# KiCad board panel.kicad_pcb (continued)
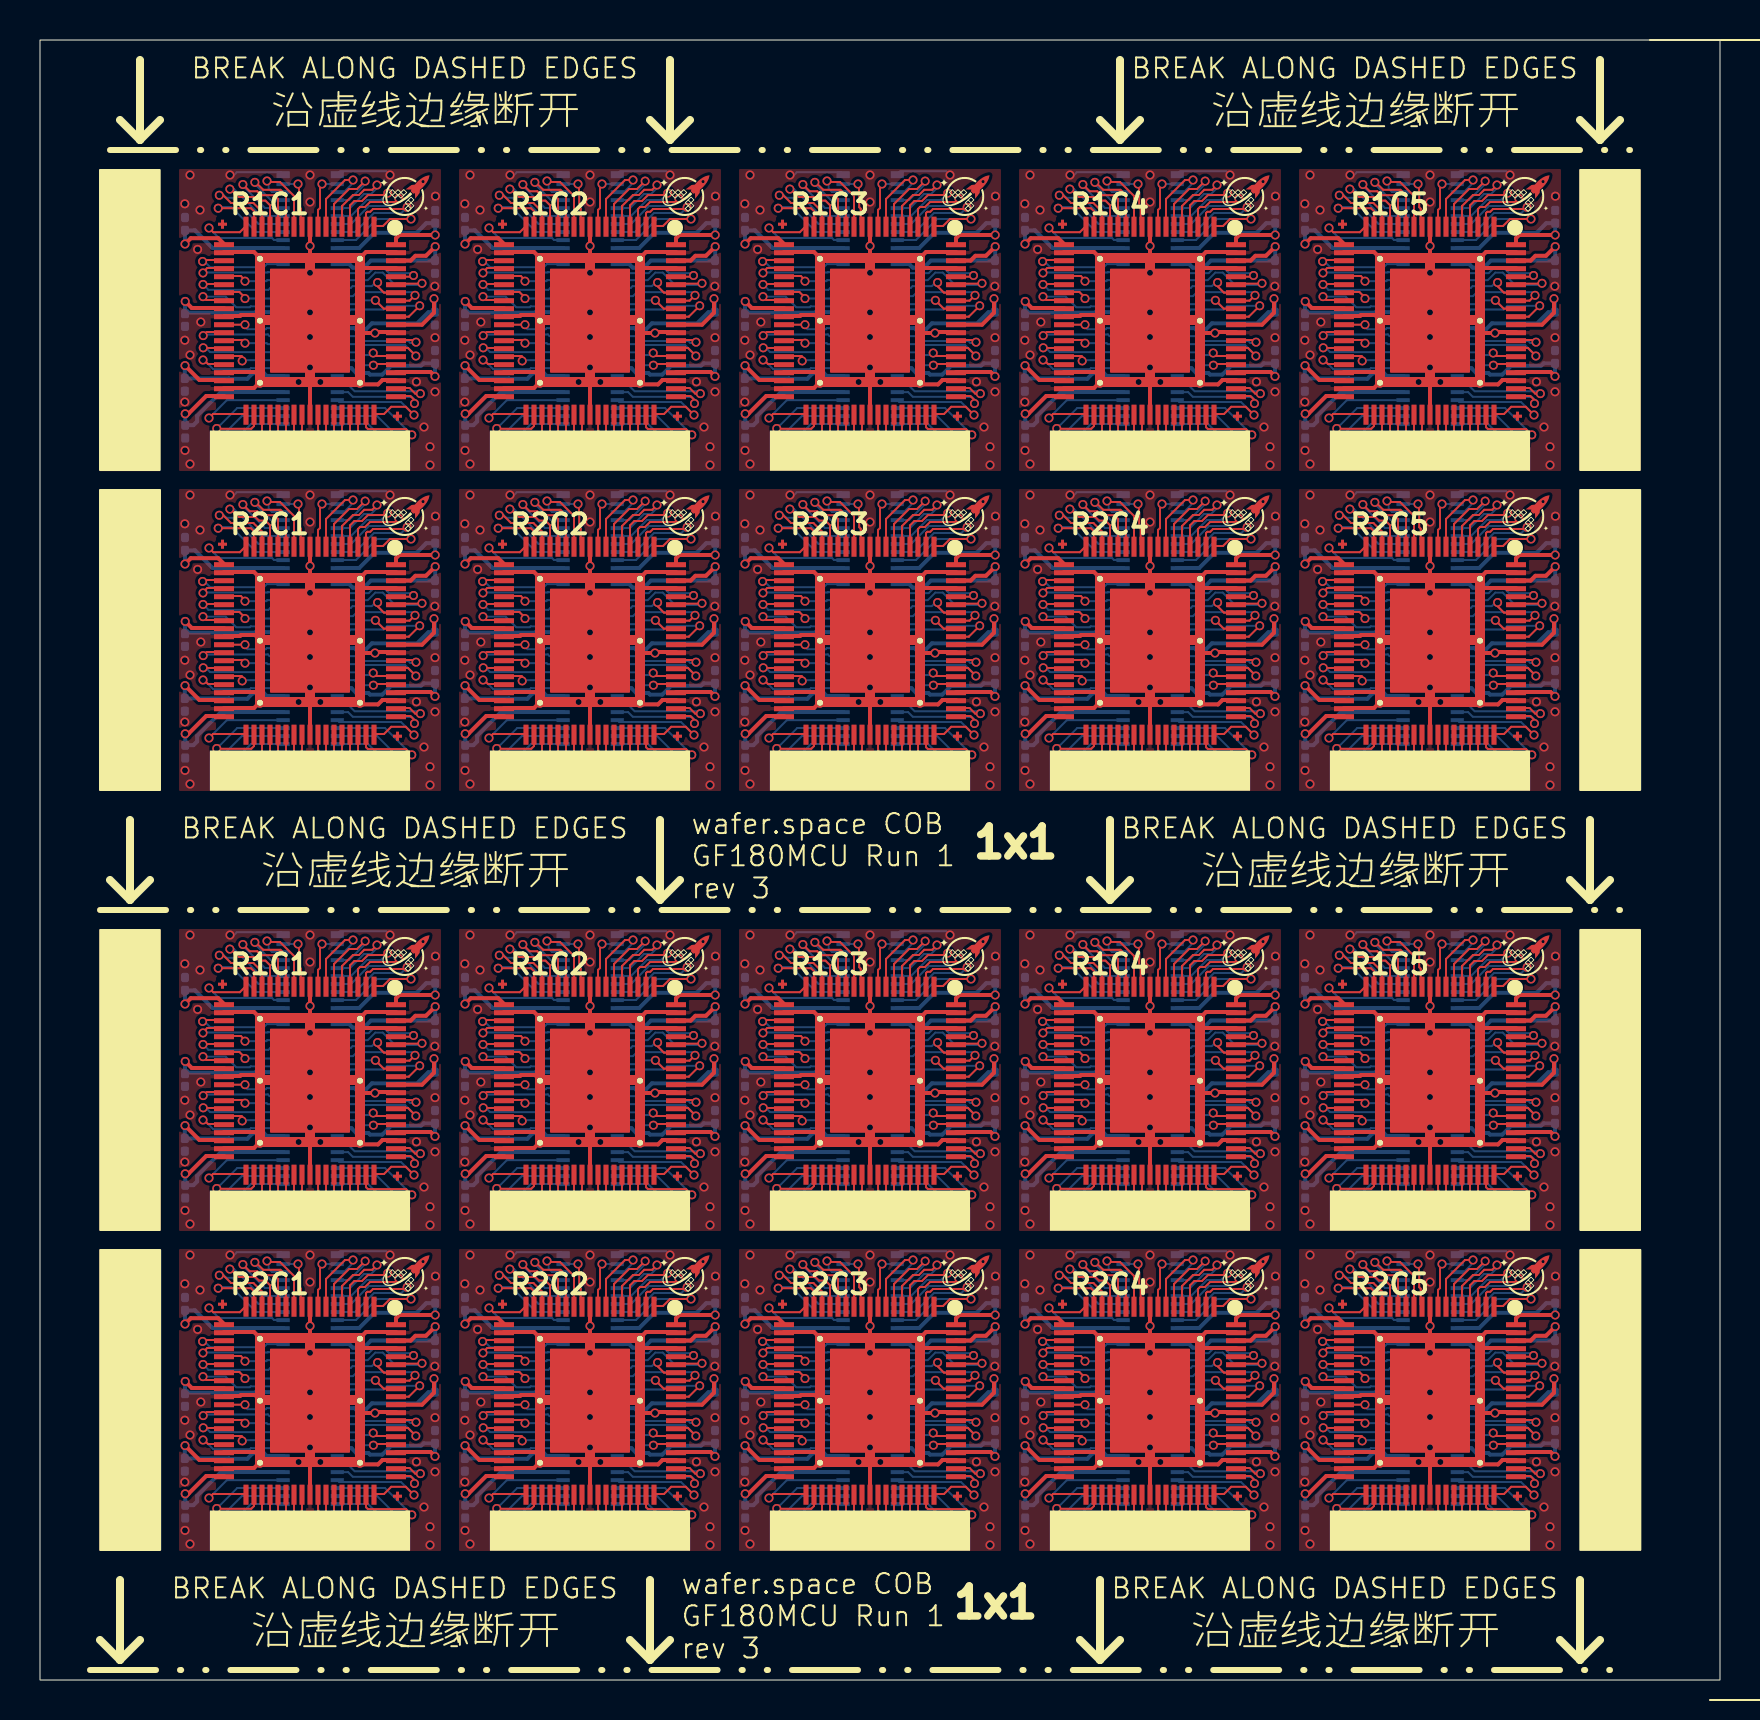
[diagram p0: board, top side]
## Routing (per net, layer and track width the routed paths; a pad name or vN(x,y) marks a point on that pad's centre or on a via; arc(x,y) is an arc through that point) (continued)
/pad_14: length 139.4
  Top w0.1: 39.1,56.7 39.1,57.42 38.67,57.85 37.55,57.85 37.16,58.24 v1(36.97,58.24) ; 25.1,56.7 25.1,57.42 24.67,57.85 23.55,57.85 23.16,58.24 v1(22.97,58.24) ; v1(22.97,20.24) 23.16,20.24 23.55,19.85 24.67,19.85 25.1,19.42 25.1,18.7 ; v1(8.97,36.24) 9.16,36.24 9.55,35.85 10.67,35.85 11.1,35.42 11.1,34.7 ; 53.1,34.7 53.1,35.42 52.67,35.85 51.55,35.85 51.16,36.24 v1(50.97,36.24) ; v1(64.97,58.24) 65.16,58.24 65.55,57.85 66.67,57.85 67.1,57.42 67.1,56.7 ; v1(8.97,74.24) 9.16,74.24 9.55,73.85 10.67,73.85 11.1,73.42 11.1,72.7 ; v1(22.97,74.24) 23.16,74.24 23.55,73.85 24.67,73.85 25.1,73.42 25.1,72.7 ; 39.1,34.7 39.1,35.42 38.67,35.85 37.55,35.85 37.16,36.24 v1(36.97,36.24) ; v1(64.97,36.24) 65.16,36.24 65.55,35.85 66.67,35.85 67.1,35.42 67.1,34.7 ; 53.1,18.7 53.1,19.42 52.67,19.85 51.55,19.85 51.16,20.24 v1(50.97,20.24) ; v1(22.97,36.24) 23.16,36.24 23.55,35.85 24.67,35.85 25.1,35.42 25.1,34.7 ; v1(36.97,20.24) 37.16,20.24 37.55,19.85 38.67,19.85 39.1,19.42 39.1,18.7 ; 11.1,18.7 11.1,19.42 10.67,19.85 9.55,19.85 9.16,20.24 v1(8.97,20.24) ; v1(36.97,74.24) 37.16,74.24 37.55,73.85 38.67,73.85 39.1,73.42 39.1,72.7 ; 11.1,56.7 11.1,57.42 10.67,57.85 9.55,57.85 9.16,58.24 v1(8.97,58.24) ; 53.1,56.7 53.1,57.42 52.67,57.85 51.55,57.85 51.16,58.24 v1(50.97,58.24) ; v1(50.97,74.24) 51.16,74.24 51.55,73.85 52.67,73.85 53.1,73.42 53.1,72.7 ; v1(64.97,20.24) 65.16,20.24 65.55,19.85 66.67,19.85 67.1,19.42 67.1,18.7 ; 67.1,72.7 67.1,73.42 66.67,73.85 65.55,73.85 65.16,74.24 v1(64.97,74.24)
  Bottom w0.1: 54.15,34.8 52.93,34.8 51.62,36.11 51.31,36.11 51.18,36.24 v1(50.97,36.24) ; 54.15,18.8 52.93,18.8 51.62,20.11 51.31,20.11 51.18,20.24 v1(50.97,20.24) ; 40.15,56.8 38.93,56.8 37.62,58.11 37.31,58.11 37.18,58.24 v1(36.97,58.24) ; v1(64.97,20.24) 65.18,20.24 65.31,20.11 65.62,20.11 66.93,18.8 68.15,18.8 ; 54.15,72.8 52.93,72.8 51.62,74.11 51.31,74.11 51.18,74.24 v1(50.97,74.24) ; 40.15,72.8 38.93,72.8 37.62,74.11 37.31,74.11 37.18,74.24 v1(36.97,74.24) ; v1(8.97,20.24) 9.18,20.24 9.31,20.11 9.62,20.11 10.93,18.8 12.15,18.8 ; 26.15,34.8 24.93,34.8 23.62,36.11 23.31,36.11 23.18,36.24 v1(22.97,36.24) ; v1(8.97,74.24) 9.18,74.24 9.31,74.11 9.62,74.11 10.93,72.8 12.15,72.8 ; 26.15,56.8 24.93,56.8 23.62,58.11 23.31,58.11 23.18,58.24 v1(22.97,58.24) ; 68.15,56.8 66.93,56.8 65.62,58.11 65.31,58.11 65.18,58.24 v1(64.97,58.24) ; v1(50.97,58.24) 51.18,58.24 51.31,58.11 51.62,58.11 52.93,56.8 54.15,56.8 ; v1(8.97,36.24) 9.18,36.24 9.31,36.11 9.62,36.11 10.93,34.8 12.15,34.8 ; 12.15,56.8 10.93,56.8 9.62,58.11 9.31,58.11 9.18,58.24 v1(8.97,58.24) ; 68.15,72.8 66.93,72.8 65.62,74.11 65.31,74.11 65.18,74.24 v1(64.97,74.24) ; 40.15,34.8 38.93,34.8 37.62,36.11 37.31,36.11 37.18,36.24 v1(36.97,36.24) ; v1(36.97,20.24) 37.18,20.24 37.31,20.11 37.62,20.11 38.93,18.8 40.15,18.8 ; 26.15,18.8 24.93,18.8 23.62,20.11 23.31,20.11 23.18,20.24 v1(22.97,20.24) ; 26.15,72.8 24.93,72.8 23.62,74.11 23.31,74.11 23.18,74.24 v1(22.97,74.24) ; v1(64.97,36.24) 65.18,36.24 65.31,36.11 65.62,36.11 66.93,34.8 68.15,34.8
/pad_15: length 127.4
  Top w0.1: v1(64.91,57.59) 66.55,57.59 66.7,57.44 66.7,56.7 ; v1(64.91,19.59) 66.55,19.59 66.7,19.44 66.7,18.7 ; 66.7,34.7 66.7,35.44 66.55,35.59 v1(64.91,35.59) ; 10.7,18.7 10.7,19.44 10.55,19.59 v1(8.91,19.59) ; 24.7,72.7 24.7,73.44 24.55,73.59 v1(22.91,73.59) ; 38.7,34.7 38.7,35.44 38.55,35.59 v1(36.91,35.59) ; v1(22.91,19.59) 24.55,19.59 24.7,19.44 24.7,18.7 ; v1(64.91,73.59) 66.55,73.59 66.7,73.44 66.7,72.7 ; 10.7,56.7 10.7,57.44 10.55,57.59 v1(8.91,57.59) ; 52.7,18.7 52.7,19.44 52.55,19.59 v1(50.91,19.59) ; 52.7,34.7 52.7,35.44 52.55,35.59 v1(50.91,35.59) ; 52.7,56.7 52.7,57.44 52.55,57.59 v1(50.91,57.59) ; 38.7,18.7 38.7,19.44 38.55,19.59 v1(36.91,19.59) ; 38.7,72.7 38.7,73.44 38.55,73.59 v1(36.91,73.59) ; v1(50.91,73.59) 52.55,73.59 52.7,73.44 52.7,72.7 ; v1(8.91,73.59) 10.55,73.59 10.7,73.44 10.7,72.7 ; 24.7,56.7 24.7,57.44 24.55,57.59 v1(22.91,57.59) ; 10.7,34.7 10.7,35.44 10.55,35.59 v1(8.91,35.59) ; 24.7,34.7 24.7,35.44 24.55,35.59 v1(22.91,35.59) ; v1(36.91,57.59) 38.55,57.59 38.7,57.44 38.7,56.7
  Bottom w0.1: 40.15,72.4 38.81,72.4 37.56,73.65 36.97,73.65 v1(36.91,73.59) ; v1(8.91,57.59) 8.97,57.65 9.56,57.65 10.81,56.4 12.15,56.4 ; 68.15,34.4 66.81,34.4 65.56,35.65 64.97,35.65 v1(64.91,35.59) ; v1(50.91,19.59) 50.97,19.65 51.56,19.65 52.81,18.4 54.15,18.4 ; v1(22.91,57.59) 22.97,57.65 23.56,57.65 24.81,56.4 26.15,56.4 ; 68.15,72.4 66.81,72.4 65.56,73.65 64.97,73.65 v1(64.91,73.59) ; v1(50.91,57.59) 50.97,57.65 51.56,57.65 52.81,56.4 54.15,56.4 ; 26.15,34.4 24.81,34.4 23.56,35.65 22.97,35.65 v1(22.91,35.59) ; 12.15,34.4 10.81,34.4 9.56,35.65 8.97,35.65 v1(8.91,35.59) ; 26.15,18.4 24.81,18.4 23.56,19.65 22.97,19.65 v1(22.91,19.59) ; v1(8.91,19.59) 8.97,19.65 9.56,19.65 10.81,18.4 12.15,18.4 ; v1(36.91,57.59) 36.97,57.65 37.56,57.65 38.81,56.4 40.15,56.4 ; 40.15,34.4 38.81,34.4 37.56,35.65 36.97,35.65 v1(36.91,35.59) ; 68.15,18.4 66.81,18.4 65.56,19.65 64.97,19.65 v1(64.91,19.59) ; 12.15,72.4 10.81,72.4 9.56,73.65 8.97,73.65 v1(8.91,73.59) ; v1(64.91,57.59) 64.97,57.65 65.56,57.65 66.81,56.4 68.15,56.4 ; v1(50.91,73.59) 50.97,73.65 51.56,73.65 52.81,72.4 54.15,72.4 ; 26.15,72.4 24.81,72.4 23.56,73.65 22.97,73.65 v1(22.91,73.59) ; 54.15,34.4 52.81,34.4 51.56,35.65 50.97,35.65 v1(50.91,35.59) ; v1(36.91,19.59) 36.97,19.65 37.56,19.65 38.81,18.4 40.15,18.4
/pad_16: length 120.2
  Top w0.1: v1(36.45,56.6) 36.66,56.39 37.99,56.39 38.3,56.7 ; v1(50.45,56.6) 50.66,56.39 51.99,56.39 52.3,56.7 ; 10.3,34.7 9.99,34.39 8.66,34.39 v1(8.45,34.6) ; 24.3,72.7 23.99,72.39 22.66,72.39 v1(22.45,72.6) ; 38.3,72.7 37.99,72.39 36.66,72.39 v1(36.45,72.6) ; v1(36.45,18.6) 36.66,18.39 37.99,18.39 38.3,18.7 ; 24.3,56.7 23.99,56.39 22.66,56.39 v1(22.45,56.6) ; v1(50.45,18.6) 50.66,18.39 51.99,18.39 52.3,18.7 ; v1(50.45,34.6) 50.66,34.39 51.99,34.39 52.3,34.7 ; v1(8.45,18.6) 8.66,18.39 9.99,18.39 10.3,18.7 ; 24.3,34.7 23.99,34.39 22.66,34.39 v1(22.45,34.6) ; v1(64.45,34.6) 64.66,34.39 65.99,34.39 66.3,34.7 ; v1(64.45,56.6) 64.66,56.39 65.99,56.39 66.3,56.7 ; 24.3,18.7 23.99,18.39 22.66,18.39 v1(22.45,18.6) ; v1(8.45,56.6) 8.66,56.39 9.99,56.39 10.3,56.7 ; v1(36.45,34.6) 36.66,34.39 37.99,34.39 38.3,34.7 ; v1(64.45,18.6) 64.66,18.39 65.99,18.39 66.3,18.7 ; v1(8.45,72.6) 8.66,72.39 9.99,72.39 10.3,72.7 ; v1(50.45,72.6) 50.66,72.39 51.99,72.39 52.3,72.7 ; v1(64.45,72.6) 64.66,72.39 65.99,72.39 66.3,72.7
  Bottom w0.1: 12.15,34 11.7,34 11.6,34.1 8.95,34.1 v1(8.45,34.6) ; 26.15,18 25.7,18 25.6,18.1 22.95,18.1 v1(22.45,18.6) ; v1(36.45,56.6) 36.95,56.1 39.6,56.1 39.7,56 40.15,56 ; v1(64.45,72.6) 64.95,72.1 67.6,72.1 67.7,72 68.15,72 ; 68.15,18 67.7,18 67.6,18.1 64.95,18.1 v1(64.45,18.6) ; 12.15,56 11.7,56 11.6,56.1 8.95,56.1 v1(8.45,56.6) ; v1(8.45,18.6) 8.95,18.1 11.6,18.1 11.7,18 12.15,18 ; 26.15,34 25.7,34 25.6,34.1 22.95,34.1 v1(22.45,34.6) ; v1(22.45,56.6) 22.95,56.1 25.6,56.1 25.7,56 26.15,56 ; 40.15,34 39.7,34 39.6,34.1 36.95,34.1 v1(36.45,34.6) ; v1(50.45,34.6) 50.95,34.1 53.6,34.1 53.7,34 54.15,34 ; 40.15,18 39.7,18 39.6,18.1 36.95,18.1 v1(36.45,18.6) ; 54.15,18 53.7,18 53.6,18.1 50.95,18.1 v1(50.45,18.6) ; 68.15,34 67.7,34 67.6,34.1 64.95,34.1 v1(64.45,34.6) ; v1(50.45,72.6) 50.95,72.1 53.6,72.1 53.7,72 54.15,72 ; 40.15,72 39.7,72 39.6,72.1 36.95,72.1 v1(36.45,72.6) ; v1(22.45,72.6) 22.95,72.1 25.6,72.1 25.7,72 26.15,72 ; v1(50.45,56.6) 50.95,56.1 53.6,56.1 53.7,56 54.15,56 ; 68.15,56 67.7,56 67.6,56.1 64.95,56.1 v1(64.45,56.6) ; v1(8.45,72.6) 8.95,72.1 11.6,72.1 11.7,72 12.15,72
/pad_19: length 106.8
  Top w0.1: 23.2,17 22.2,17 v1(22.13,16.93) ; 51.2,71 50.2,71 v1(50.13,70.93) ; v1(64.13,54.93) 64.2,55 65.2,55 ; v1(22.13,70.93) 22.2,71 23.2,71 ; 51.2,17 50.2,17 v1(50.13,16.93) ; 37.2,71 36.2,71 v1(36.13,70.93) ; 37.2,17 36.2,17 v1(36.13,16.93) ; 37.2,33 36.2,33 v1(36.13,32.93) ; 37.2,55 36.2,55 v1(36.13,54.93) ; 23.2,33 22.2,33 v1(22.13,32.93) ; v1(50.13,54.93) 50.2,55 51.2,55 ; v1(22.13,54.93) 22.2,55 23.2,55 ; v1(64.13,16.93) 64.2,17 65.2,17 ; 51.2,33 50.2,33 v1(50.13,32.93) ; 9.2,55 8.2,55 v1(8.13,54.93) ; 9.2,71 8.2,71 v1(8.13,70.93) ; v1(8.13,16.93) 8.2,17 9.2,17 ; v1(64.13,32.93) 64.2,33 65.2,33 ; 9.2,33 8.2,33 v1(8.13,32.93) ; 65.2,71 64.2,71 v1(64.13,70.93)
  Bottom w0.1: v1(22.13,32.93) 22.16,32.96 22.19,32.96 22.51,32.64 25.19,32.64 25.35,32.8 U103.60 ; v1(36.13,70.93) 36.16,70.96 36.19,70.96 36.51,70.64 39.19,70.64 39.35,70.8 U105.60 ; v1(8.13,70.93) 8.16,70.96 8.19,70.96 8.51,70.64 11.19,70.64 11.35,70.8 U101#2.60 ; v1(50.13,16.93) 50.16,16.96 50.19,16.96 50.51,16.64 53.19,16.64 53.35,16.8 U117#2.60 ; U115.60 39.35,54.8 39.19,54.64 36.51,54.64 36.19,54.96 36.16,54.96 v1(36.13,54.93) ; v1(22.13,70.93) 22.16,70.96 22.19,70.96 22.51,70.64 25.19,70.64 25.35,70.8 U103#2.60 ; U113.60 25.35,16.8 25.19,16.64 22.51,16.64 22.19,16.96 22.16,16.96 v1(22.13,16.93) ; v1(64.13,32.93) 64.16,32.96 64.19,32.96 64.51,32.64 67.19,32.64 67.34,32.8 U109.60 ; U119#2.60 67.34,16.8 67.19,16.64 64.51,16.64 64.19,16.96 64.16,16.96 v1(64.13,16.93) ; U111.60 11.35,16.8 11.19,16.64 8.51,16.64 8.19,16.96 8.16,16.96 v1(8.13,16.93) ; U113#2.60 25.35,54.8 25.19,54.64 22.51,54.64 22.19,54.96 22.16,54.96 v1(22.13,54.93) ; v1(50.13,54.93) 50.16,54.96 50.19,54.96 50.51,54.64 53.19,54.64 53.35,54.8 U117.60 ; U105#2.60 39.35,32.8 39.19,32.64 36.51,32.64 36.19,32.96 36.16,32.96 v1(36.13,32.93) ; v1(50.13,70.93) 50.16,70.96 50.19,70.96 50.51,70.64 53.19,70.64 53.35,70.8 U107.60 ; v1(36.13,16.93) 36.16,16.96 36.19,16.96 36.51,16.64 39.19,16.64 39.35,16.8 U115#2.60 ; U101.60 11.35,32.8 11.19,32.64 8.51,32.64 8.19,32.96 8.16,32.96 v1(8.13,32.93) ; U109#2.60 67.34,70.8 67.19,70.64 64.51,70.64 64.19,70.96 64.16,70.96 v1(64.13,70.93) ; U119.60 67.34,54.8 67.19,54.64 64.51,54.64 64.19,54.96 64.16,54.96 v1(64.13,54.93) ; U111#2.60 11.35,54.8 11.19,54.64 8.51,54.64 8.19,54.96 8.16,54.96 v1(8.13,54.93) ; U107#2.60 53.35,32.8 53.19,32.64 50.51,32.64 50.19,32.96 50.16,32.96 v1(50.13,32.93)
/pad_20: length 104.2
  Top w0.1: 51.2,32.6 50.36,32.6 50.15,32.39 v1(50.15,32.35) ; 51.2,70.6 50.36,70.6 50.15,70.39 v1(50.15,70.35) ; 65.2,32.6 64.36,32.6 64.15,32.39 v1(64.15,32.35) ; v1(8.15,54.35) 8.15,54.39 8.36,54.6 9.2,54.6 ; v1(22.15,54.35) 22.15,54.39 22.36,54.6 23.2,54.6 ; 65.2,70.6 64.36,70.6 64.15,70.39 v1(64.15,70.35) ; 37.2,54.6 36.36,54.6 36.15,54.39 v1(36.15,54.35) ; 37.2,16.6 36.36,16.6 36.15,16.39 v1(36.15,16.35) ; 9.2,70.6 8.36,70.6 8.15,70.39 v1(8.15,70.35) ; v1(36.15,32.35) 36.15,32.39 36.36,32.6 37.2,32.6 ; v1(50.15,54.35) 50.15,54.39 50.36,54.6 51.2,54.6 ; 51.2,16.6 50.36,16.6 50.15,16.39 v1(50.15,16.35) ; v1(22.15,32.35) 22.15,32.39 22.36,32.6 23.2,32.6 ; v1(36.15,70.35) 36.15,70.39 36.36,70.6 37.2,70.6 ; 9.2,16.6 8.36,16.6 8.15,16.39 v1(8.15,16.35) ; v1(22.15,70.35) 22.15,70.39 22.36,70.6 23.2,70.6 ; 65.2,16.6 64.36,16.6 64.15,16.39 v1(64.15,16.35) ; 9.2,32.6 8.36,32.6 8.15,32.39 v1(8.15,32.35) ; v1(22.15,16.35) 22.15,16.39 22.36,16.6 23.2,16.6 ; 65.2,54.6 64.36,54.6 64.15,54.39 v1(64.15,54.35)
  Bottom w0.1: 40.15,32.39 39.4,32.39 39.38,32.38 36.16,32.38 36.15,32.37 v1(36.15,32.35) ; 26.15,32.39 25.4,32.39 25.38,32.38 22.16,32.38 22.15,32.37 v1(22.15,32.35) ; v1(22.15,70.35) 22.15,70.37 22.16,70.38 25.38,70.38 25.4,70.4 U103#2.59 ; v1(8.15,16.35) 8.15,16.37 8.16,16.38 11.38,16.38 11.4,16.39 12.15,16.39 ; 54.15,32.39 53.4,32.39 53.38,32.38 50.16,32.38 50.15,32.37 v1(50.15,32.35) ; 12.15,32.39 11.4,32.39 11.38,32.38 8.16,32.38 8.15,32.37 v1(8.15,32.35) ; 40.15,16.39 39.4,16.39 39.38,16.38 36.16,16.38 36.15,16.37 v1(36.15,16.35) ; v1(22.15,16.35) 22.15,16.37 22.16,16.38 25.38,16.38 25.4,16.39 26.15,16.39 ; v1(8.15,70.35) 8.15,70.37 8.16,70.38 11.38,70.38 11.4,70.4 U101#2.59 ; v1(8.15,54.35) 8.15,54.37 8.16,54.38 11.38,54.38 11.4,54.39 12.15,54.39 ; v1(50.15,16.35) 50.15,16.37 50.16,16.38 53.38,16.38 53.4,16.39 54.15,16.39 ; v1(36.15,70.35) 36.15,70.37 36.16,70.38 39.38,70.38 39.4,70.4 U105.59 ; v1(64.15,70.35) 64.15,70.37 64.16,70.38 67.38,70.38 67.4,70.4 U109#2.59 ; v1(64.15,16.35) 64.15,16.37 64.16,16.38 67.38,16.38 67.4,16.39 68.16,16.39 ; 40.15,54.39 39.4,54.39 39.38,54.38 36.16,54.38 36.15,54.37 v1(36.15,54.35) ; 68.16,54.39 67.4,54.39 67.38,54.38 64.16,54.38 64.15,54.37 v1(64.15,54.35) ; U107.59 53.4,70.4 53.38,70.38 50.16,70.38 50.15,70.37 v1(50.15,70.35) ; 68.16,32.39 67.4,32.39 67.38,32.38 64.16,32.38 64.15,32.37 v1(64.15,32.35) ; v1(22.15,54.35) 22.15,54.37 22.16,54.38 25.38,54.38 25.4,54.39 26.15,54.39 ; 54.15,54.39 53.4,54.39 53.38,54.38 50.16,54.38 50.15,54.37 v1(50.15,54.35)
/pad_21: length 62.3
  Top w0.1: 9.2,16.2 10.04,16.2 10.25,15.99 v1(10.25,15.94) ; 9.2,32.2 10.04,32.2 10.25,31.99 v1(10.25,31.94) ; 37.2,70.2 38.04,70.2 38.25,69.99 v1(38.25,69.94) ; v1(24.25,15.94) 24.25,15.99 24.04,16.2 23.2,16.2 ; 65.2,70.2 66.04,70.2 66.25,69.99 v1(66.25,69.94) ; 37.2,16.2 38.04,16.2 38.25,15.99 v1(38.25,15.94) ; v1(38.25,53.94) 38.25,53.99 38.04,54.2 37.2,54.2 ; v1(24.25,31.94) 24.25,31.99 24.04,32.2 23.2,32.2 ; 9.2,70.2 10.04,70.2 10.25,69.99 v1(10.25,69.94) ; 65.2,54.2 66.04,54.2 66.25,53.99 v1(66.25,53.94) ; v1(52.25,31.94) 52.25,31.99 52.04,32.2 51.2,32.2 ; v1(52.25,15.94) 52.25,15.99 52.04,16.2 51.2,16.2 ; 23.2,54.2 24.04,54.2 24.25,53.99 v1(24.25,53.94) ; 65.2,32.2 66.04,32.2 66.25,31.99 v1(66.25,31.94) ; v1(38.25,31.94) 38.25,31.99 38.04,32.2 37.2,32.2 ; 9.2,54.2 10.04,54.2 10.25,53.99 v1(10.25,53.94) ; 51.2,70.2 52.04,70.2 52.25,69.99 v1(52.25,69.94) ; 65.2,16.2 66.04,16.2 66.25,15.99 v1(66.25,15.94) ; v1(24.25,69.94) 24.25,69.99 24.04,70.2 23.2,70.2 ; 51.2,54.2 52.04,54.2 52.25,53.99 v1(52.25,53.94)
  Bottom w0.1: v1(10.25,69.94) 10.25,69.94 11.31,69.94 11.36,70 U101#2.58 ; v1(10.25,53.94) 10.25,53.94 11.31,53.94 11.36,54 U111#2.58 ; v1(38.25,53.94) 38.25,53.94 39.31,53.94 39.36,54 U115.58 ; U119#2.58 67.36,16 67.31,15.94 66.25,15.94 v1(66.25,15.94) ; U115#2.58 39.36,16 39.31,15.94 38.25,15.94 v1(38.25,15.94) ; U111.58 11.36,16 11.31,15.94 10.25,15.94 v1(10.25,15.94) ; U103#2.58 25.36,70 25.31,69.94 24.25,69.94 v1(24.25,69.94) ; v1(38.25,31.94) 38.25,31.94 39.31,31.94 39.36,32 U105#2.58 ; v1(24.25,31.94) 24.25,31.94 25.31,31.94 25.36,32 U103.58 ; U117#2.58 53.36,16 53.31,15.94 52.25,15.94 v1(52.25,15.94) ; v1(52.25,69.94) 52.25,69.94 53.31,69.94 53.36,70 U107.58 ; U117.58 53.36,54 53.31,53.94 52.25,53.94 v1(52.25,53.94) ; U107#2.58 53.36,32 53.31,31.94 52.25,31.94 v1(52.25,31.94) ; v1(66.25,69.94) 66.25,69.94 67.31,69.94 67.36,70 U109#2.58 ; v1(66.25,53.94) 66.25,53.94 67.31,53.94 67.36,54 U119.58 ; v1(24.25,53.94) 24.25,53.94 25.31,53.94 25.36,54 U113#2.58 ; v1(24.25,15.94) 24.25,15.94 25.31,15.94 25.36,16 U113.58 ; v1(38.25,69.94) 38.25,69.94 39.31,69.94 39.36,70 U105.58 ; v1(10.25,31.94) 10.25,31.94 11.31,31.94 11.36,32 U101.58 ; U109.58 67.36,32 67.31,31.94 66.25,31.94 v1(66.25,31.94)
/pad_22: length 104.2
  Top w0.1: 65.2,15.8 64.17,15.8 v1(64.15,15.78) ; v1(22.15,69.78) 22.17,69.8 23.2,69.8 ; v1(8.15,53.78) 8.17,53.8 9.2,53.8 ; v1(64.15,53.78) 64.17,53.8 65.2,53.8 ; v1(50.15,31.78) 50.17,31.8 51.2,31.8 ; 23.2,15.8 22.17,15.8 v1(22.15,15.78) ; 51.2,15.8 50.17,15.8 v1(50.15,15.78) ; 37.2,53.8 36.17,53.8 v1(36.15,53.78) ; 37.2,15.8 36.17,15.8 v1(36.15,15.78) ; v1(8.15,69.78) 8.17,69.8 9.2,69.8 ; v1(64.15,69.78) 64.17,69.8 65.2,69.8 ; 23.2,31.8 22.17,31.8 v1(22.15,31.78) ; 37.2,31.8 36.17,31.8 v1(36.15,31.78) ; 9.2,31.8 8.17,31.8 v1(8.15,31.78) ; 37.2,69.8 36.17,69.8 v1(36.15,69.78) ; v1(50.15,69.78) 50.17,69.8 51.2,69.8 ; v1(64.15,31.78) 64.17,31.8 65.2,31.8 ; 9.2,15.8 8.17,15.8 v1(8.15,15.78) ; v1(50.15,53.78) 50.17,53.8 51.2,53.8 ; 23.2,53.8 22.17,53.8 v1(22.15,53.78)
  Bottom w0.1: v1(8.15,69.78) 8.42,69.51 11.42,69.51 11.51,69.59 U101#2.57 ; U109.57 67.51,31.59 67.42,31.51 64.42,31.51 v1(64.15,31.78) ; v1(8.15,53.78) 8.42,53.51 11.42,53.51 11.51,53.59 U111#2.57 ; v1(8.15,31.78) 8.42,31.51 11.42,31.51 11.51,31.59 U101.57 ; v1(64.15,53.78) 64.42,53.51 67.42,53.51 67.51,53.59 U119.57 ; U113#2.57 25.51,53.59 25.42,53.51 22.42,53.51 v1(22.15,53.78) ; U117.57 53.51,53.59 53.42,53.51 50.42,53.51 v1(50.15,53.78) ; U115#2.57 39.51,15.59 39.42,15.51 36.42,15.51 v1(36.15,15.78) ; U109#2.57 67.51,69.59 67.42,69.51 64.42,69.51 v1(64.15,69.78) ; U107#2.57 53.51,31.59 53.42,31.51 50.42,31.51 v1(50.15,31.78) ; U111.57 11.51,15.59 11.42,15.51 8.42,15.51 v1(8.15,15.78) ; U119#2.57 67.51,15.59 67.42,15.51 64.42,15.51 v1(64.15,15.78) ; U117#2.57 53.51,15.59 53.42,15.51 50.42,15.51 v1(50.15,15.78) ; v1(36.15,53.78) 36.42,53.51 39.42,53.51 39.51,53.59 U115.57 ; v1(22.15,69.78) 22.42,69.51 25.42,69.51 25.51,69.59 U103#2.57 ; v1(36.15,31.78) 36.42,31.51 39.42,31.51 39.51,31.59 U105#2.57 ; v1(36.15,69.78) 36.42,69.51 39.42,69.51 39.51,69.59 U105.57 ; U113.57 25.51,15.59 25.42,15.51 22.42,15.51 v1(22.15,15.78) ; v1(22.15,31.78) 22.42,31.51 25.42,31.51 25.51,31.59 U103.57 ; v1(50.15,69.78) 50.42,69.51 53.42,69.51 53.51,69.59 U107.57
/pad_23: length 63.4
  Top w0.1: v1(66.25,53.07) 66.25,53.12 65.97,53.4 65.2,53.4 ; 51.2,53.4 51.97,53.4 52.25,53.12 v1(52.25,53.07) ; 37.2,53.4 37.97,53.4 38.25,53.12 v1(38.25,53.07) ; v1(24.25,69.07) 24.25,69.12 23.97,69.4 23.2,69.4 ; 9.2,31.4 9.97,31.4 10.25,31.12 v1(10.25,31.07) ; v1(10.25,69.07) 10.25,69.12 9.97,69.4 9.2,69.4 ; 65.2,15.4 65.97,15.4 66.25,15.12 v1(66.25,15.07) ; v1(10.25,15.07) 10.25,15.12 9.97,15.4 9.2,15.4 ; 9.2,53.4 9.97,53.4 10.25,53.12 v1(10.25,53.07) ; v1(38.25,31.07) 38.25,31.12 37.97,31.4 37.2,31.4 ; 23.2,53.4 23.97,53.4 24.25,53.12 v1(24.25,53.07) ; v1(66.25,31.07) 66.25,31.12 65.97,31.4 65.2,31.4 ; 51.2,69.4 51.97,69.4 52.25,69.12 v1(52.25,69.07) ; v1(52.25,31.07) 52.25,31.12 51.97,31.4 51.2,31.4 ; v1(66.25,69.07) 66.25,69.12 65.97,69.4 65.2,69.4 ; 37.2,15.4 37.97,15.4 38.25,15.12 v1(38.25,15.07) ; v1(52.25,15.07) 52.25,15.12 51.97,15.4 51.2,15.4 ; v1(24.25,31.07) 24.25,31.12 23.97,31.4 23.2,31.4 ; 23.2,15.4 23.97,15.4 24.25,15.12 v1(24.25,15.07) ; v1(38.25,69.07) 38.25,69.12 37.97,69.4 37.2,69.4
  Bottom w0.1: U103.56 25.72,31.2 25.6,31.07 v1(24.25,31.07) ; U103#2.56 25.72,69.19 25.6,69.07 v1(24.25,69.07) ; v1(66.25,15.07) 67.6,15.07 67.72,15.2 U119#2.56 ; v1(38.25,69.07) 39.6,69.07 39.72,69.19 U105.56 ; v1(10.25,15.07) 11.6,15.07 11.72,15.2 U111.56 ; U115.56 39.72,53.2 39.6,53.07 v1(38.25,53.07) ; v1(66.25,69.07) 67.6,69.07 67.72,69.19 U109#2.56 ; v1(10.25,31.07) 11.6,31.07 11.72,31.2 U101.56 ; v1(66.25,31.07) 67.6,31.07 67.72,31.2 U109.56 ; U113.56 25.72,15.2 25.6,15.07 v1(24.25,15.07) ; U107#2.56 53.72,31.2 53.6,31.07 v1(52.25,31.07) ; U105#2.56 39.72,31.2 39.6,31.07 v1(38.25,31.07) ; U113#2.56 25.72,53.2 25.6,53.07 v1(24.25,53.07) ; U111#2.56 11.72,53.2 11.6,53.07 v1(10.25,53.07) ; U107.56 53.72,69.19 53.6,69.07 v1(52.25,69.07) ; U119.56 67.72,53.2 67.6,53.07 v1(66.25,53.07) ; U117.56 53.72,53.2 53.6,53.07 v1(52.25,53.07) ; U117#2.56 53.72,15.2 53.6,15.07 v1(52.25,15.07) ; v1(10.25,69.07) 11.6,69.07 11.72,69.19 U101#2.56 ; v1(38.25,15.07) 39.6,15.07 39.72,15.2 U115#2.56
/pad_24: length 108.2
  Top w0.1: 37.2,31 36.32,31 v1(36.15,31.17) ; v1(22.15,69.17) 22.32,69 23.2,69 ; v1(64.15,15.17) 64.32,15 65.2,15 ; v1(50.15,31.17) 50.32,31 51.2,31 ; v1(50.15,69.17) 50.32,69 51.2,69 ; v1(36.15,69.17) 36.32,69 37.2,69 ; 9.2,53 8.32,53 v1(8.15,53.17) ; v1(50.15,15.17) 50.32,15 51.2,15 ; 9.2,31 8.32,31 v1(8.15,31.17) ; v1(50.15,53.17) 50.32,53 51.2,53 ; 23.2,53 22.32,53 v1(22.15,53.17) ; 9.2,15 8.32,15 v1(8.15,15.17) ; v1(64.15,69.17) 64.32,69 65.2,69 ; 65.2,31 64.32,31 v1(64.15,31.17) ; v1(22.15,31.17) 22.32,31 23.2,31 ; 37.2,53 36.32,53 v1(36.15,53.17) ; v1(36.15,15.17) 36.32,15 37.2,15 ; v1(22.15,15.17) 22.32,15 23.2,15 ; 65.2,53 64.32,53 v1(64.15,53.17) ; v1(8.15,69.17) 8.32,69 9.2,69
  Bottom w0.1: U115.55 39.94,52.8 39.83,52.69 38.54,52.69 38.49,52.64 37.81,52.64 37.28,53.17 36.32,53.17 v1(36.15,53.17) ; U111.55 11.94,14.8 11.83,14.69 10.54,14.69 10.49,14.64 9.81,14.64 9.28,15.17 8.32,15.17 v1(8.15,15.17) ; U101.55 11.94,30.8 11.83,30.69 10.54,30.69 10.49,30.64 9.81,30.64 9.28,31.17 8.32,31.17 v1(8.15,31.17) ; v1(8.15,69.17) 8.32,69.17 9.28,69.17 9.81,68.64 10.49,68.64 10.54,68.69 11.83,68.69 11.94,68.8 U101#2.55 ; v1(50.15,53.17) 50.32,53.17 51.28,53.17 51.81,52.64 52.49,52.64 52.54,52.69 53.83,52.69 53.94,52.8 U117.55 ; v1(50.15,15.17) 50.32,15.17 51.28,15.17 51.81,14.64 52.49,14.64 52.54,14.69 53.83,14.69 53.94,14.8 U117#2.55 ; U111#2.55 11.94,52.8 11.83,52.69 10.54,52.69 10.49,52.64 9.81,52.64 9.28,53.17 8.32,53.17 v1(8.15,53.17) ; v1(36.15,31.17) 36.32,31.17 37.28,31.17 37.81,30.64 38.49,30.64 38.54,30.69 39.83,30.69 39.94,30.8 U105#2.55 ; v1(22.15,53.17) 22.32,53.17 23.28,53.17 23.81,52.64 24.49,52.64 24.54,52.69 25.83,52.69 25.94,52.8 U113#2.55 ; v1(64.15,53.17) 64.32,53.17 65.28,53.17 65.81,52.64 66.49,52.64 66.53,52.69 67.83,52.69 67.94,52.8 U119.55 ; v1(22.15,31.17) 22.32,31.17 23.28,31.17 23.81,30.64 24.49,30.64 24.54,30.69 25.83,30.69 25.94,30.8 U103.55 ; U109.55 67.94,30.8 67.83,30.69 66.53,30.69 66.49,30.64 65.81,30.64 65.28,31.17 64.32,31.17 v1(64.15,31.17) ; U109#2.55 67.94,68.8 67.83,68.69 66.53,68.69 66.49,68.64 65.81,68.64 65.28,69.17 64.32,69.17 v1(64.15,69.17) ; U103#2.55 25.94,68.8 25.83,68.69 24.54,68.69 24.49,68.64 23.81,68.64 23.28,69.17 22.32,69.17 v1(22.15,69.17) ; U119#2.55 67.94,14.8 67.83,14.69 66.53,14.69 66.49,14.64 65.81,14.64 65.28,15.17 64.32,15.17 v1(64.15,15.17) ; U113.55 25.94,14.8 25.83,14.69 24.54,14.69 24.49,14.64 23.81,14.64 23.28,15.17 22.32,15.17 v1(22.15,15.17) ; U107.55 53.94,68.8 53.83,68.69 52.54,68.69 52.49,68.64 51.81,68.64 51.28,69.17 50.32,69.17 v1(50.15,69.17) ; v1(36.15,69.17) 36.32,69.17 37.28,69.17 37.81,68.64 38.49,68.64 38.54,68.69 39.83,68.69 39.94,68.8 U105.55 ; v1(36.15,15.17) 36.32,15.17 37.28,15.17 37.81,14.64 38.49,14.64 38.54,14.69 39.83,14.69 39.94,14.8 U115#2.55 ; v1(50.15,31.17) 50.32,31.17 51.28,31.17 51.81,30.64 52.49,30.64 52.54,30.69 53.83,30.69 53.94,30.8 U107#2.55
/pad_27: length 62.9
  Top w0.1: 51.2,29.8 51.24,29.77 v1(52.25,29.77) ; v1(52.25,13.77) 51.24,13.77 51.2,13.8 ; v1(52.25,67.77) 51.24,67.77 51.2,67.8 ; v1(66.25,29.77) 65.24,29.77 65.2,29.8 ; 65.2,13.8 65.24,13.77 v1(66.25,13.77) ; 65.2,51.8 65.24,51.77 v1(66.25,51.77) ; v1(38.25,67.77) 37.24,67.77 37.2,67.8 ; v1(10.25,29.77) 9.24,29.77 9.2,29.8 ; 9.2,51.8 9.24,51.77 v1(10.25,51.77) ; v1(38.25,13.77) 37.24,13.77 37.2,13.8 ; v1(24.25,51.77) 23.24,51.77 23.2,51.8 ; v1(66.25,67.77) 65.24,67.77 65.2,67.8 ; 9.2,67.8 9.24,67.77 v1(10.25,67.77) ; v1(38.25,29.77) 37.24,29.77 37.2,29.8 ; v1(24.25,29.77) 23.24,29.77 23.2,29.8 ; 23.2,13.8 23.24,13.77 v1(24.25,13.77) ; 37.2,51.8 37.24,51.77 v1(38.25,51.77) ; 9.2,13.8 9.24,13.77 v1(10.25,13.77) ; 23.2,67.8 23.24,67.77 v1(24.25,67.77) ; v1(52.25,51.77) 51.24,51.77 51.2,51.8
  Bottom w0.1: U115#2.52 39.35,13.59 39.29,13.54 38.38,13.54 38.25,13.67 v1(38.25,13.77) ; U101.52 11.35,29.59 11.29,29.54 10.38,29.54 10.25,29.67 v1(10.25,29.77) ; U119#2.52 67.34,13.59 67.29,13.54 66.38,13.54 66.25,13.67 v1(66.25,13.77) ; v1(38.25,29.77) 38.25,29.67 38.38,29.54 39.29,29.54 39.35,29.59 U105#2.52 ; v1(10.25,51.77) 10.25,51.67 10.38,51.54 11.29,51.54 11.35,51.59 U111#2.52 ; U113.52 25.35,13.59 25.29,13.54 24.38,13.54 24.25,13.67 v1(24.25,13.77) ; U107.52 53.35,67.59 53.29,67.54 52.38,67.54 52.25,67.66 v1(52.25,67.77) ; U109.52 67.34,29.59 67.29,29.54 66.38,29.54 66.25,29.67 v1(66.25,29.77) ; U105.52 39.35,67.59 39.29,67.54 38.38,67.54 38.25,67.66 v1(38.25,67.77) ; U115.52 39.35,51.59 39.29,51.54 38.38,51.54 38.25,51.67 v1(38.25,51.77) ; U117.52 53.35,51.59 53.29,51.54 52.38,51.54 52.25,51.67 v1(52.25,51.77) ; U117#2.52 53.35,13.59 53.29,13.54 52.38,13.54 52.25,13.67 v1(52.25,13.77) ; v1(10.25,13.77) 10.25,13.67 10.38,13.54 11.29,13.54 11.35,13.59 U111.52 ; U107#2.52 53.35,29.59 53.29,29.54 52.38,29.54 52.25,29.67 v1(52.25,29.77) ; U103#2.52 25.35,67.59 25.29,67.54 24.38,67.54 24.25,67.66 v1(24.25,67.77) ; v1(66.25,51.77) 66.25,51.67 66.38,51.54 67.29,51.54 67.34,51.59 U119.52 ; v1(66.25,67.77) 66.25,67.66 66.38,67.54 67.29,67.54 67.34,67.59 U109#2.52 ; v1(24.25,29.77) 24.25,29.67 24.38,29.54 25.29,29.54 25.35,29.59 U103.52 ; v1(24.25,51.77) 24.25,51.67 24.38,51.54 25.29,51.54 25.35,51.59 U113#2.52 ; U101#2.52 11.35,67.59 11.29,67.54 10.38,67.54 10.25,67.66 v1(10.25,67.77)
/pad_28: length 103.4
  Top w0.1: 37.2,51.4 36.34,51.4 v1(36.16,51.22) ; v1(50.16,67.22) 50.34,67.4 51.2,67.4 ; v1(36.16,13.22) 36.34,13.4 37.2,13.4 ; 9.2,67.4 8.34,67.4 v1(8.16,67.22) ; v1(22.16,13.22) 22.34,13.4 23.2,13.4 ; v1(22.16,29.22) 22.34,29.4 23.2,29.4 ; 51.2,13.4 50.34,13.4 v1(50.16,13.22) ; 51.2,29.4 50.34,29.4 v1(50.16,29.22) ; v1(8.16,51.22) 8.34,51.4 9.2,51.4 ; 65.2,51.4 64.34,51.4 v1(64.16,51.22) ; 51.2,51.4 50.34,51.4 v1(50.16,51.22) ; 9.2,29.4 8.34,29.4 v1(8.16,29.22) ; v1(22.16,51.22) 22.34,51.4 23.2,51.4 ; v1(8.16,13.22) 8.34,13.4 9.2,13.4 ; v1(64.16,29.22) 64.34,29.4 65.2,29.4 ; v1(36.16,67.22) 36.34,67.4 37.2,67.4 ; v1(36.16,29.22) 36.34,29.4 37.2,29.4 ; 65.2,67.4 64.34,67.4 v1(64.16,67.22) ; v1(64.16,13.22) 64.34,13.4 65.2,13.4 ; v1(22.16,67.22) 22.34,67.4 23.2,67.4
  Bottom w0.1: v1(36.16,67.22) 36.21,67.22 36.27,67.28 39.4,67.28 39.48,67.19 U105.51 ; U109.51 67.48,29.2 67.4,29.28 64.27,29.28 64.21,29.22 v1(64.16,29.22) ; U103.51 25.48,29.2 25.4,29.28 22.27,29.28 22.21,29.22 v1(22.16,29.22) ; v1(8.16,51.22) 8.21,51.22 8.27,51.28 11.4,51.28 11.48,51.2 U111#2.51 ; v1(8.16,13.22) 8.21,13.22 8.27,13.28 11.4,13.28 11.48,13.2 U111.51 ; v1(36.16,51.22) 36.21,51.22 36.27,51.28 39.4,51.28 39.48,51.2 U115.51 ; v1(64.16,13.22) 64.21,13.22 64.27,13.28 67.4,13.28 67.48,13.2 U119#2.51 ; U117#2.51 53.48,13.2 53.4,13.28 50.27,13.28 50.21,13.22 v1(50.16,13.22) ; U105#2.51 39.48,29.2 39.4,29.28 36.27,29.28 36.21,29.22 v1(36.16,29.22) ; v1(22.16,51.22) 22.21,51.22 22.27,51.28 25.4,51.28 25.48,51.2 U113#2.51 ; v1(50.16,51.22) 50.21,51.22 50.27,51.28 53.4,51.28 53.48,51.2 U117.51 ; U119.51 67.48,51.2 67.4,51.28 64.27,51.28 64.21,51.22 v1(64.16,51.22) ; U103#2.51 25.48,67.19 25.4,67.28 22.27,67.28 22.21,67.22 v1(22.16,67.22) ; v1(36.16,13.22) 36.21,13.22 36.27,13.28 39.4,13.28 39.48,13.2 U115#2.51 ; U101.51 11.48,29.2 11.4,29.28 8.27,29.28 8.21,29.22 v1(8.16,29.22) ; v1(50.16,67.22) 50.21,67.22 50.27,67.28 53.4,67.28 53.48,67.19 U107.51 ; U109#2.51 67.48,67.19 67.4,67.28 64.27,67.28 64.21,67.22 v1(64.16,67.22) ; v1(8.16,67.22) 8.21,67.22 8.27,67.28 11.4,67.28 11.48,67.19 U101#2.51 ; U107#2.51 53.48,29.2 53.4,29.28 50.27,29.28 50.21,29.22 v1(50.16,29.22) ; U113.51 25.48,13.2 25.4,13.28 22.27,13.28 22.21,13.22 v1(22.16,13.22)